# KiCad board msf-owl-clock.kicad_pcb (continued)
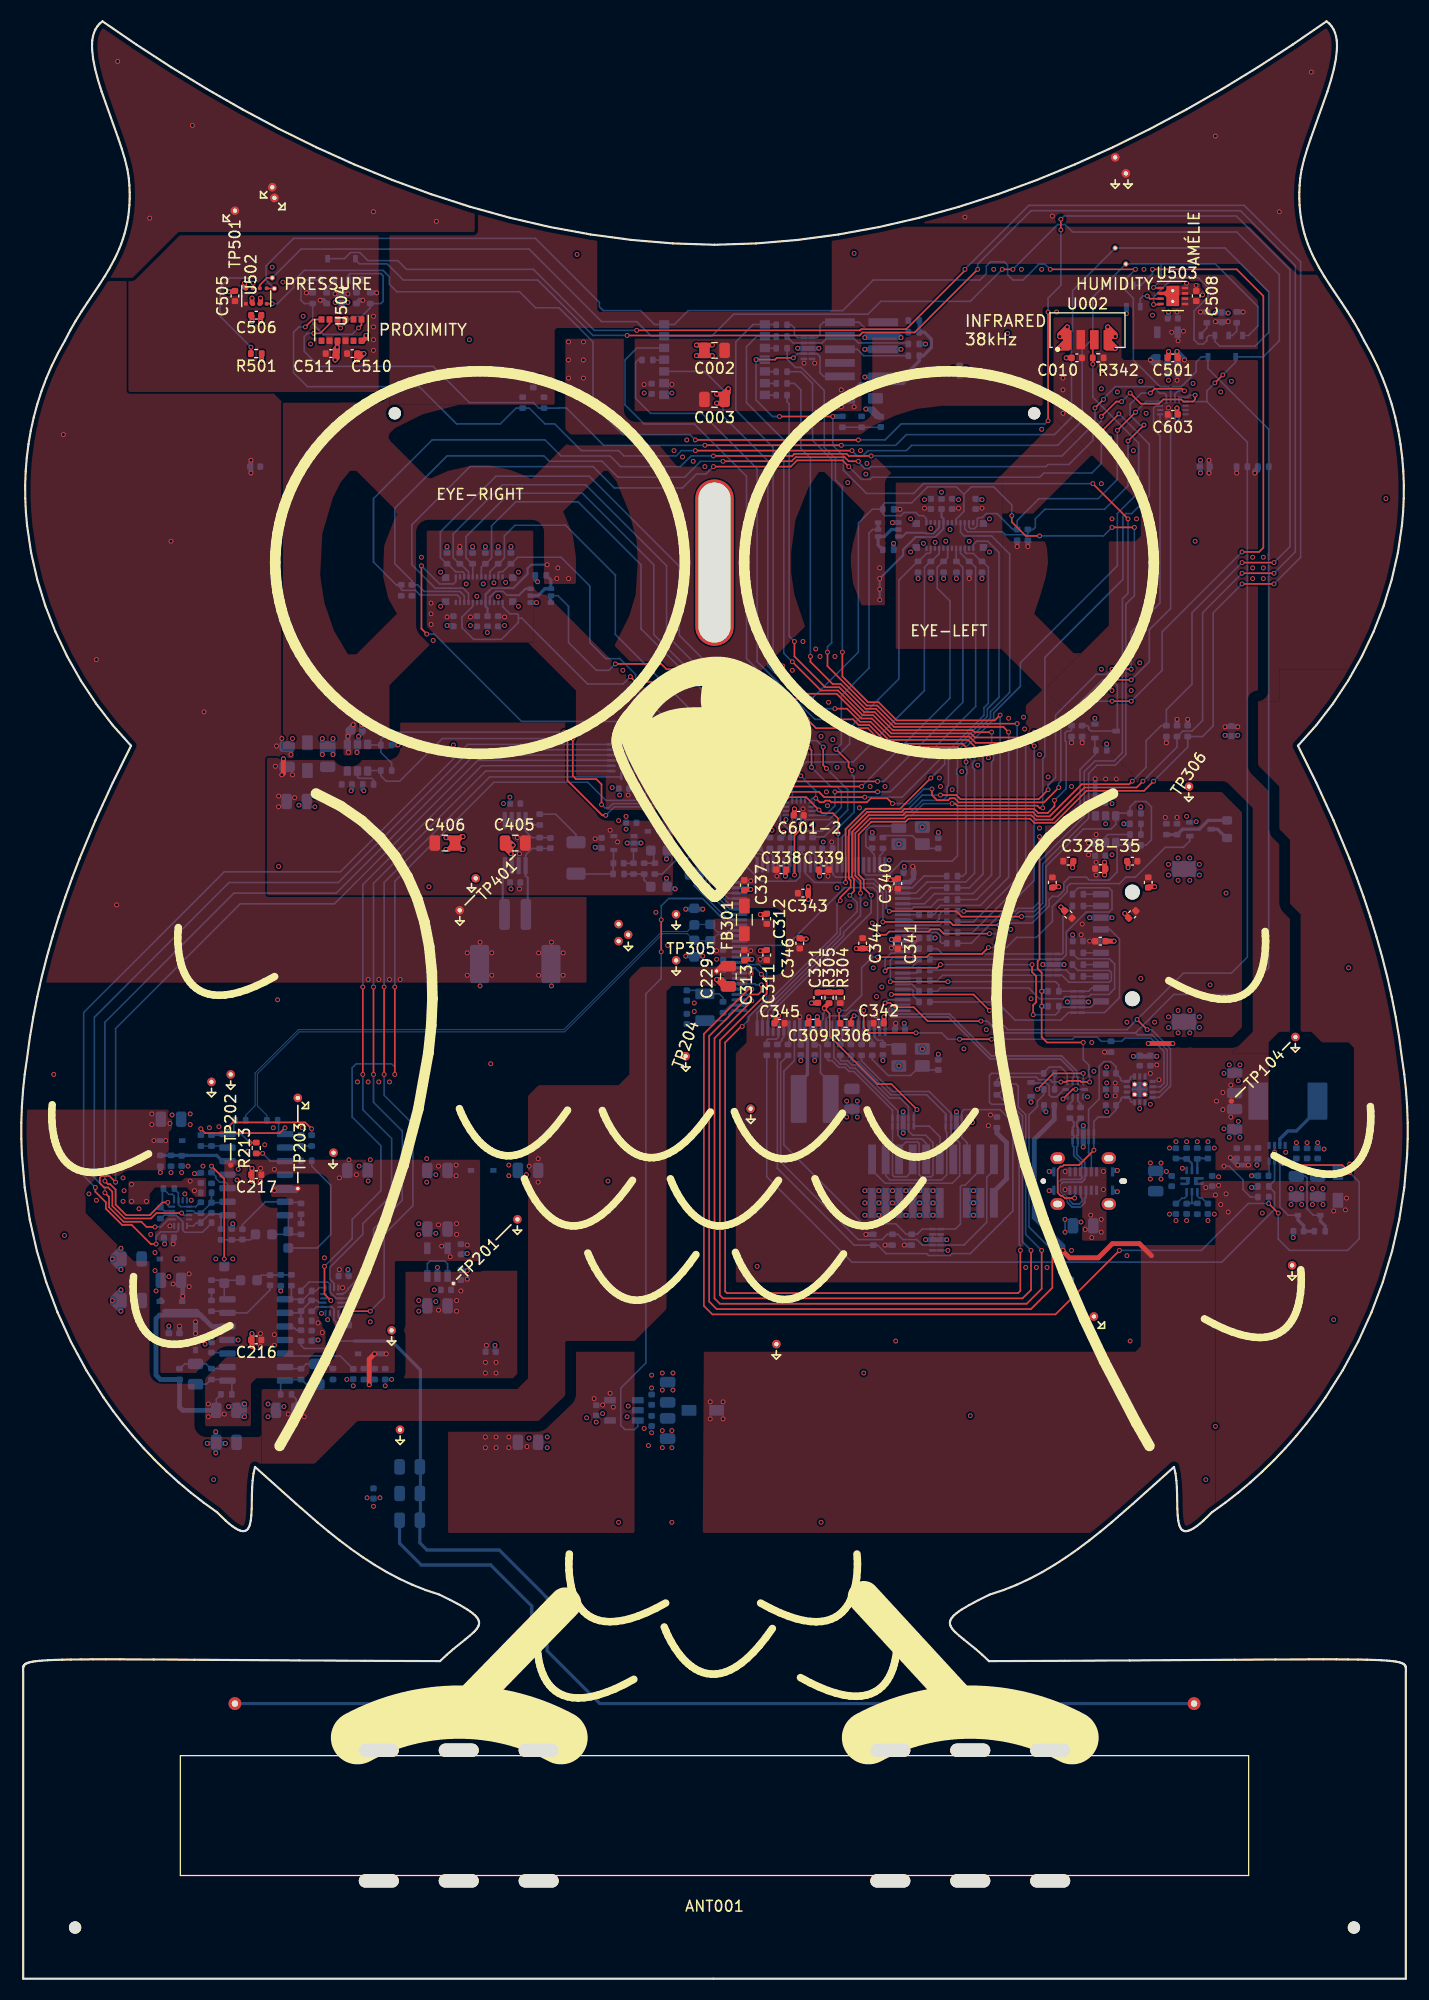
[diagram p0: board, top side]
## Routing (per net, layer and track width the routed paths; a pad name or vN(x,y) marks a point on that pad's centre or on a via; arc(x,y) is an arc through that point) (continued)
/2-msf-receiver/2-msf-receiver-trf/MSF_RCV_TRF: length 4.6
  Bottom w0.152: R243.1 25.32,69.8 C230.2 ; 24.84,71.49 U204.7 ; C230.2 25.04,71.6 ; C230.2 24.77,69.8 C241.2
/2-msf-receiver/2-msf-receiver-trf/MSF_RCV_TRF1: length 4.5
  Bottom w0.152: C238.2 19.32,65.5 C236.2 ; C238.2 18.76,65.51 R233.1 ; C238.2 19.04,63.71
/2-msf-receiver/2-msf-receiver-trf/PGA1.FB0: length 5.1
  Bottom w0.152: C235.1 26.25,62.62 R227.1 27.73,63.61 27.94,63.4 U206.10 ; C235.1 26.23,62.61 R226.1 ; C235.1 26.06,62.44 U203.2
/2-msf-receiver/2-msf-receiver-trf/PGA1.FB1: length 4
  Bottom w0.152: R227.2 27.29,62.59 27.7,63 U206.9 29.16,63 29.34,62.81 U206.6 29.34,61.75 29.73,61.36 R228.1
/2-msf-receiver/2-msf-receiver-trf/PGA1.FB2: length 4.9
  Bottom w0.152: U206.3 30.69,63.4 31,63.09 R229.1 30.84,62.89 30.84,61.39 R228.2 30.75,61.35 30.21,61.9 29.84,61.9 29.74,62 U206.5
/2-msf-receiver/2-msf-receiver-trf/PGA1.FB3: length 6.4
  Bottom w0.152: R229.2 31.02,64.11 30.71,63.8 U206.2 29.55,63.8 28.94,64.4 U206.14 28.94,65.14 28.76,65.32 27.01,65.32 26.23,64.55 R230.1
/2-msf-receiver/2-msf-receiver-trf/PGA1.FB4: length 5.5
  Bottom w0.152: C235.2 26.33,63.58 R230.2 27.64,64.5 27.94,64.8 U206.13 ; 26.11,63.71 U203.1 ; 25.34,63.71 R231.1
/2-msf-receiver/2-msf-receiver-trf/PGA1.SW_EN0: length 80.2
  Top w0.152: v1(35.04,93) v1(35.04,84.8) ; v1(29.04,63.6) 28.44,64.2 v1(28.44,66.8)
  Bottom w0.152: U205.15 57.89,113.25 57.89,112.75 58.64,112 58.64,111.25 57.89,110.5 54.84,110.5 53.14,112.2 44.34,112.2 35.04,102.9 v1(35.04,93) ; 34.73,85.8 31.43,85.8 31.04,85.42 31.04,80.8 33.74,78.1 33.74,73.9 31.04,71.2 31.04,69.4 v1(28.44,66.8) ; v1(29.04,63.6) 28.84,63.8 U206.11 ; 34.74,85.8 35.04,85.5 v1(35.04,84.8)
/2-msf-receiver/2-msf-receiver-trf/PGA1.SW_EN1: length 72.5
  Top w0.152: v1(34.04,93) v1(34.04,84.8) ; v1(32.74,62.6) v1(30.34,62.6)
  Bottom w0.152: v1(34.04,84.8) 34.04,82.85 36.74,80.15 36.74,72.5 34.04,69.8 34.04,63.9 v1(32.74,62.6) ; v1(30.34,62.6) 30.34,62.86 30.21,63 U206.4 ; U205.1 56.18,112.7 43.94,112.7 34.04,102.8 v1(34.04,93)
/2-msf-receiver/2-msf-receiver-trf/PGA1.SW_EN2: length 68.9
  Top w0.152: v1(33.04,93) v1(33.04,84.8)
  Bottom w0.152: U205.2 43.57,113.25 33.04,102.72 v1(33.04,93) ; v1(33.04,84.8) 33.04,82.2 35.74,79.5 35.74,73 33.04,70.3 33.04,67.1 30.64,64.69 30.64,64.6 30.36,64.32 30.26,64.32 30.14,64.2 U206.1
/2-msf-receiver/2-msf-receiver-trf/PGA1.SW_EN3: length 69.4
  Top w0.152: v1(32.04,93) v1(32.04,84.8)
  Bottom w0.152: v1(32.04,84.8) 32.04,81.5 34.74,78.8 34.74,73.5 32.04,70.8 32.04,69.8 28.94,66.7 28.94,65.6 29.34,65.2 U206.15 ; v1(32.04,93) 32.04,102.6 43.19,113.75 U205.3
/2-msf-receiver/2-msf-receiver-trf/PGA2.FB0: length 5.1
  Bottom w0.152: U207.10 16.13,72 16.34,71.79 R237.1 16.85,71.79 C240.1 ; C240.1 17.84,73.69 R236.1 ; C240.1 19.26,72.78 U204.9
/2-msf-receiver/2-msf-receiver-trf/PGA2.FB1: length 4
  Bottom w0.152: R238.1 14.35,74.06 14.74,73.67 U207.6 14.74,72.6 14.94,72.4 U207.9 16.38,72.4 16.79,72.81 R237.2
/2-msf-receiver/2-msf-receiver-trf/PGA2.FB2: length 4.9
  Bottom w0.152: U207.3 13.41,72 13.1,72.31 R239.1 13.24,72.51 13.24,74.01 R238.2 13.33,74.06 13.84,73.55 14.19,73.55 14.34,73.4 U207.5
/2-msf-receiver/2-msf-receiver-trf/PGA2.FB3: length 6.5
  Bottom w0.152: R240.1 17.85,70.85 17,70 15.34,70 15.14,70.2 U207.14 15.14,70.99 14.54,71.6 U207.2 13.39,71.6 13.08,71.29 R239.2
/2-msf-receiver/2-msf-receiver-trf/PGA2.FB4: length 6.2
  Bottom w0.152: R241.1 18.74,71.4 18.93,71.59 U204.8 19.23,71.7 17.96,71.7 C240.2 ; 17.85,71.81 C240.2 ; C240.2 17.76,71.82 16.84,70.9 R240.2 16.44,70.9 16.14,70.6 U207.13
/2-msf-receiver/2-msf-receiver-trf/PGA2.SW_EN0: length 84.5
  Top w0.152: v1(15.04,71.8) 12.68,71.8 12.17,71.29 9.72,71.29 8.54,72.47 8.54,73.8 8.14,74.2 7.77,74.2 7.36,74.6 7.36,75.12 7.53,75.28 8.26,75.28 v1(8.84,74.7)
  Bottom w0.152: v1(15.04,71.8) 15.24,71.6 U207.11 ; U205.4 42.84,114.25 29.39,100.8 20.54,100.8 8.84,89.1 v1(8.84,74.7)
/2-msf-receiver/2-msf-receiver-trf/PGA2.SW_EN1: length 82.1
  Top w0.152: v1(7.84,74.8) 8.14,74.5 8.34,74.5 8.84,74 8.84,72.6 9.84,71.6 12.04,71.6 13.24,72.8 v1(13.74,72.8)
  Bottom w0.152: v1(7.84,74.8) 7.84,89.7 19.94,101.8 29.54,101.8 42.49,114.75 U205.5 ; U207.4 13.87,72.4 13.74,72.52 v1(13.74,72.8)
/2-msf-receiver/2-msf-receiver-trf/PGA2.SW_EN2: length 84.3
  Top w0.152: v1(7.84,73.7) 8.24,73.31 8.24,72.34 9.59,70.99 11.25,70.99 11.74,70.5 v1(12.54,70.5)
  Bottom w0.152: U205.6 42.19,115.25 29.74,102.8 19.49,102.8 6.84,90.15 6.84,75.12 7.84,74.12 v1(7.84,73.7) ; v1(12.54,70.5) 13.09,70.5 13.79,71.2 U207.1
/2-msf-receiver/2-msf-receiver-trf/PGA2.SW_EN3: length 88.7
  Top w0.152: v1(6.94,74.2) 6.94,73.8 7.93,72.81 7.93,72.22 9.47,70.68 10.36,70.68 12.14,68.9 v1(12.64,68.9)
  Bottom w0.152: v1(6.94,74.2) 5.84,75.3 5.84,90.6 19.04,103.8 29.94,103.8 41.89,115.75 U205.7 ; v1(12.64,68.9) 12.64,69.61 13.07,70.03 14.58,70.03 14.74,70.2 U207.15
/2-msf-receiver/DS: length 18.3
  Bottom w0.152: U205.14 58.54,113.75 58.83,113.45 R224.1 58.83,112.91 59.14,112.6 59.71,112.6 64.88,107.42 64.88,105.7 65.14,105.44 65.14,102.06 66.4,100.8 U301.21
/2-msf-receiver/MSF_ANT_{+}: length 111.2
  Bottom w0.152: R225.1 26.24,59.4 26.54,59.1 28.74,59.1 29.44,59.8 31.24,59.8
  Bottom w0.305: ANT001.1 54.29,25.8 49.34,30.75 49.34,35.7 44.84,40.2 38.07,40.2 37.39,40.87 C014.1 37.44,43.05 37.44,57.1 34.74,59.8 31.24,59.8
/2-msf-receiver/MSF_OUT+: length 56
  Bottom w0.102: U301.15 66.28,97.8 66.13,97.94 65.34,97.94 64.72,97.32 C324.2 63.19,97.32 C323.2 63.12,97.37 62.5,97.99 60.19,97.99 50.99,88.79 26.09,88.79 22.15,84.85 22.15,81.86 23.03,80.98 R214.2
/2-msf-receiver/MSF_OUT-: length 56.4
  Bottom w0.102: R219.2 21.05,80.98 21.94,81.86 21.94,84.94 26,89 50.9,89 60.1,98.2 62.5,98.2 63.12,98.82 C325.2 63.19,98.87 C324.1 64.64,98.83 65.33,98.15 66.13,98.15 66.28,98.3 U301.16
/2-msf-receiver/MSF_RCV_EN: length 61.4
  Top w0.152: v1(60.04,99.3) v1(60.04,96.3)
  Bottom w0.152: v1(60.04,96.3) 60.04,93.8 58.61,92.36 58.61,57.74 56.24,55.37 56.24,51.9 56.64,51.5 57.54,51.5 57.84,51.8 U201.3 ; v1(60.04,99.3) 60.04,100.6 60.74,101.3 63.91,101.3 66.41,98.8 U301.17
/2-msf-receiver/MSF_RCV_VREF_{+1.8V}: length 83
  Bottom w0.152: 17.85,74.79 17.85,74.69 ; R205.2 18.29,54.36 C220.1
  Bottom w0.305: C014.2 35.49,40.82 37.52,38.8 44.04,38.8 47.89,34.95 47.89,30.85 ; ANT001.2 42.97,25.8 47.89,30.72
  Bottom w0.45: 13.1,63.68 12.99,63.57 D202.2 13.21,63.5 13.24,63.53 ; 17.14,61.9 17.87,61.17 U203.12 ; 17.14,61.9 16.82,62.22 12.97,62.22 12.64,61.9 12.64,56.6 13.05,56.19 R204.2 14.84,53.6 15.14,53.3 C220.1 ; 17.14,61.9 16.44,62.6 13.44,62.6 ; v1(23.74,73.9) 25.74,73.9 TP203.1 24.77,74.1 U204.5 23.97,74.13 v1(23.74,73.9)
  vias: v1(10.34,74.5) v1(10.34,72.9) v1(11.74,72.9) v1(15.84,74.8) v1(16.24,73.9) v1(17.54,53.9) v1(17.54,52.7) v1(19.04,52.95) v1(27.84,61.5) v1(28.24,60.6)
/2-msf-receiver/MSF_RCV_VREF_{+2.5V}: length 3.6
  Top w0.45: TP204.1 65.69,94.95 C229.1
  Bottom w0.152: C226.1 25.79,54.36 R211.2
  Bottom w0.45: v1(13.04,75.6) R220.1
  vias: v1(12.24,81.1) v1(12.24,80.1) v1(12.44,78.6) v1(13.54,78.6) v1(13.94,80.2) v1(25.04,52.95) v1(26.54,53.9) v1(26.54,52.7) v1(47.64,76.2) v1(48.49,76.9) v1(48.49,74.7) v1(68.44,94.3)
/2-msf-receiver/MSF_VDD_{+3.6V}: length 8.7
  Top w0.45: v1(33.14,58.6) 32.64,58.1 v1(32.64,55.7)
  Bottom w0.45: v1(14.24,68.9) 14.24,69.42 C244.1 ; C214.1 15.14,65.35 v1(15.14,64) 15.14,63.55 D202.1 ; v1(14.84,61.2) R201.1 ; v1(33.14,58.6) v1(34.24,58.6) ; v1(16.34,61.6) v1(16.34,60.5)
  vias: v1(13.94,70.6) v1(14.24,65.15) v1(15.74,66.1) v1(15.74,64.9) v1(22.44,76) v1(22.44,74.8) v1(22.44,60.5) v1(22.44,59.3) v1(23.74,75.9) v1(23.74,60.4) v1(23.74,59.4) v1(29.84,75.1) v1(29.84,66.5) v1(30.14,64.8) v1(30.74,76.8) v1(31.44,75.4) v1(39.14,76.2) v1(39.14,70.7) v1(39.44,68.7) v1(40.24,67.7) v1(40.79,76.3) v1(40.79,75.3) v1(40.84,70.8) v1(40.84,69.8) v1(41.84,68.8)
/2-msf-receiver/SHCP: length 21.8
  Bottom w0.152: U301.23 66.26,101.8 65.74,102.32 65.74,105.7 65.49,105.95 65.49,107.67 64.24,108.92 64.24,111.2 60.94,114.5 60.94,116.05 60.59,116.4 59.09,116.4 58.83,116.14 R223.1 58.85,115.58 58.85,115.56 58.53,115.25 U205.11
/2-msf-receiver/STCP: length 19.3
  Bottom w0.152: U301.22 66.33,101.3 65.44,102.19 65.44,105.57 65.19,105.82 65.19,107.55 63.44,109.29 63.44,110.4 60.93,112.92 60.93,113.59 60.58,113.94 59.34,113.94 58.83,114.45 R222.1 58.49,114.5 58.24,114.75 U205.12
/3-mcu-core/AMP_EN: length 51.7
  Top w0.152: v1(54.84,109.1) 54.51,109.1 51.24,112.36 51.24,116.6 v1(50.94,116.9)
  Bottom w0.152: v1(50.94,116.9) 34.44,116.9 33.73,116.19 R401.1 ; U301.19 66.54,99.8 64.27,102.06 64.27,107.17 63.49,107.95 62.29,107.95 60.35,109.89 55.64,109.89 v1(54.84,109.1) ; R401.1 33.73,115.01 34.75,113.99 R402.1 ; R401.1 32.54,115.7 U401.3
/3-mcu-core/AMP_IN: length 6.7
  Bottom w0.152: U301.18 66.34,99.3 63.14,102.5 C408.1
/3-mcu-core/BC805M.MISO: length 70
  Top w0.152: v1(77.04,124.4) 77.04,122.11 79.46,119.7 80.44,119.7 82.14,118 91.34,118 v1(91.84,118.5)
  Bottom w0.152: v1(77.04,124.4) 77.04,139.9 76.39,140.55 76.39,142.55 75.34,143.6 75.34,148.93 73.18,151.1 72.64,151.1 71.85,151.89 R007.1 ; R332.2 89.64,101.2 91.84,103.4 v1(91.84,118.5)
/3-mcu-core/BC805M.MOSI: length 72.1
  Top w0.152: v1(93.44,117.69) 82.02,117.69 80.32,119.39 79.34,119.39 75.64,123.08 v1(75.64,124.4)
  Bottom w0.152: v1(93.44,117.69) 93.44,103.2 89.34,99.1 R330.2 ; v1(75.64,124.4) 75.64,124.9 76.04,125.3 76.04,142.46 74.24,144.26 74.24,149.6 73.14,150.7 R008.1
/3-mcu-core/BC805M.RXD: length 79
  Top w0.152: v1(89.44,114.7) 88.34,115.8 81.32,115.8 79.56,117.56 78.58,117.56 78.04,118.1 v1(76.14,118.1)
  Bottom w0.152: U301.53 83.94,101.8 84.99,102.84 88.62,102.84 89.44,103.67 89.44,113.42 89.26,113.6 89.26,113.99 89.44,114.17 v1(89.44,114.7) ; R011.2 57.84,151.8 57.64,151.6 57.64,148.2 59.04,146.8 63.84,146.8 69.04,141.6 69.04,123.52 74.47,118.1 v1(76.14,118.1)
/3-mcu-core/BC805M.SCK: length 71.3
  Top w0.152: v1(74.04,124) 74.04,123.49 76.13,121.41 76.89,121.41 79.21,119.09 80.19,119.09 81.89,117.39 92.15,117.39 v1(92.64,116.9)
  Bottom w0.152: R009.1 72.54,149.6 73.14,149 73.14,143.5 74.04,142.6 v1(74.04,124) ; v1(92.64,116.9) 92.64,103.3 89.99,100.64 86.24,100.64 85.84,100.25 85.84,100 85.64,99.8 R331.2
/3-mcu-core/BC805M.SWDCLK: length 81.1
  Top w0.152: v1(94.24,116.4) 89.48,116.4 89.1,116.78 81.64,116.78 79.94,118.48 78.96,118.48 76.63,120.8 75.04,120.8 v1(72.34,123.5)
  Bottom w0.152: R005.2 69.8,154 U001.2 69.03,154.03 68.04,153.04 68.04,147.8 71.54,144.3 71.54,124.3 v1(72.34,123.5) ; R329.2 89.24,98.1 94.24,103.1 v1(94.24,116.4)
/3-mcu-core/BC805M.SWDIO: length 86
  Top w0.152: v1(71.44,123.1) 71.44,122.7 73.64,120.5 76.51,120.5 78.83,118.17 79.81,118.17 81.51,116.47 88.97,116.47 89.54,115.9 94.74,115.9 v1(95.04,115.6)
  Bottom w0.152: R328.2 89.14,97.1 92.16,100.12 92.16,100.29 92.45,100.58 92.63,100.58 95.04,103 v1(95.04,115.6) ; R004.2 70.8,155.13 U001.1 68.67,155.13 67.04,153.5 67.04,147.1 70.54,143.6 70.54,124 v1(71.44,123.1)
/3-mcu-core/BC805M.TXD: length 76
  Top w0.152: v1(73.74,118.1) 74.58,117.26 79.43,117.26 81.2,115.5 87.84,115.5 88.65,114.69 v1(88.65,114.1)
  Bottom w0.152: R334.2 88.34,103.4 88.65,103.7 88.65,112.92 88.73,113 88.73,113.39 88.65,113.47 v1(88.65,114.1) ; U001.12 57.77,152.93 56.64,151.8 56.64,147.6 58.44,145.8 63.14,145.8 68.04,140.9 68.04,123.8 v1(73.74,118.1)
/3-mcu-core/BC805M.~{CTS}: length 69.2
  Top w0.152: v1(91.04,116.9) 89.44,116.9 89.25,117.08 81.77,117.08 80.07,118.78 79.08,118.78 76.76,121.11 75.44,121.11 72.54,124 v1(72.54,125.4)
  Bottom w0.152: U301.55 84.74,100.8 85.69,101.74 89.29,101.74 91.04,103.5 91.04,114.12 91.23,114.3 91.23,114.69 91.04,114.87 v1(91.04,116.9) ; v1(72.54,125.4) 72.04,125.9 72.04,147.7 71.85,147.89 R010.1
/3-mcu-core/BC805M.~{RESET}: length 4.8
  Bottom w0.152: U301.58 83.54,99.3 83.74,99.1 85.83,99.1 86.14,99.41 86.14,99.8 86.44,100.1 R014.2
/3-mcu-core/BC805M.~{RTS}: length 71.9
  Top w0.152: v1(76.34,119.1) 77.48,119.1 78.7,117.87 79.69,117.87 81.39,116.17 88.84,116.17 89.71,115.3 v1(90.24,115.3)
  Bottom w0.152: U001.10 64.11,150.73 65.84,149 65.84,146.55 70.04,142.35 70.04,123.12 74.07,119.1 v1(76.34,119.1) ; R333.2 88.94,102.3 90.24,103.6 v1(90.24,115.3)
/3-mcu-core/CLK: length 27.4
  Bottom w0.152: R320.2 91.54,91.6 93.24,89.9 97.54,89.9 98.24,90.6 101.64,90.6 103.04,92 103.04,97.5 102.14,98.4 CONN002.5 100.84,98.4
/3-mcu-core/CMD: length 25
  Bottom w0.152: R321.2 85.94,92.6 86.24,92.9 94.54,92.9 95.54,91.9 97.77,91.9 97.97,92.1 100.17,92.1 100.37,92.3 102.05,92.3 102.28,92.53 102.28,92.53 102.59,92.84 102.59,95.16 102.28,95.46 102.28,95.46 102.1,95.64 99.14,95.64 98.63,96.15 R020.2
/3-mcu-core/DAT0: length 17.5
  Bottom w0.152: R019.2 98.63,100.55 97.74,99.66 97.74,96.19 97.64,96.1 D006.1 86.44,96.1 85.94,96.6 R325.2
/3-mcu-core/DAT1: length 26.1
  Bottom w0.152: R018.2 98.63,101.75 99.18,102.3 102.05,102.3 102.34,102 102.34,100.29 102.08,100.02 99.92,100.02 98.04,98.15 98.04,96 97.64,95.6 R324.2
/3-mcu-core/DAT2: length 13.6
  Bottom w0.152: R022.2 98.03,94.6 R323.2
/3-mcu-core/DAT3: length 22.3
  Bottom w0.152: R021.2 98.63,95.05 99.14,94.54 102.1,94.54 102.28,94.36 102.28,93.63 102.1,93.45 98.29,93.45 97.64,94.1 86.44,94.1 85.94,93.6 R322.2
/3-mcu-core/DATA0: length 4.7
  Bottom w0.152: R335.1 67.2,107.01 66.79,107.42 66.45,107.42 66.16,107.7 66.16,109.69 66.45,109.98 66.86,109.98 66.94,109.9 U601.7
/3-mcu-core/DATA1: length 2.7
  Bottom w0.152: R336.1 68.16,107.01 68,107.17 68,107.26 67.06,108.2 67.06,108.59 67.34,108.87 U601.5
/3-mcu-core/DATA2: length 8
  Top w0.152: v1(69.34,107.6) 69.09,107.34 67.9,107.34 67.03,108.21 67.03,109.21 67.13,109.3 67.13,110.18 v1(68.34,111.4)
  Bottom w0.152: R337.1 69.34,107.11 v1(69.34,107.6) ; U601.10 v1(68.34,111.4)
/3-mcu-core/DATA3: length 2.8
  Bottom w0.152: R338.1 70.19,107.01 69.94,107.25 69.94,107.7 69.54,108.1 69.14,108.1 68.74,108.5 U601.2
/3-mcu-core/IR_RCV_DATA: length 67.7
  Top w0.152: U002.3 100.53,153.55 R342.2 100.54,151.99 v1(100.54,151.4)
  Bottom w0.152: v1(100.54,151.4) 100.54,148.3 104.84,144 104.84,139.4 102.84,137.4 102.84,132.5 93.74,123.4 93.74,121.2 91.24,118.7 91.24,118.1 87.84,114.7 87.84,113.47 87.76,113.39 87.76,113 87.84,112.92 87.84,105.3 87.34,104.8 82.67,104.8 81.36,103.49 79.27,103.49 79.04,103.72 U301.46
/3-mcu-core/MCU.SWDCLK: length 38.8
  Bottom w0.152: CONN004.4 89.99,75.84 88.54,74.4 88.24,74.4 88.12,74.27 88.12,70.77 87.64,70.3 D004.6 D004.5 84.54,70.3 84.05,69.81 R303.1 83.03,69.81 82.04,70.8 78.94,70.8 71.55,78.19 71.55,85.11 72.54,86.1 U301.93
/3-mcu-core/MCU.SWDIO: length 40.3
  Bottom w0.152: CONN004.2 91.26,75.81 90.59,75.14 90.59,70.94 88.44,68.8 D004.9 D004.2 84.54,68.8 84.03,69.31 82.73,69.31 82.23,69.81 R302.1 81.25,69.81 80.76,69.31 78.53,69.31 71.25,76.59 71.25,85.89 R313.2
/3-mcu-core/MCU.SWO: length 56.2
  Bottom w0.152: R312.2 70.94,76 78.15,68.79 R301.1 80.35,68.79 81.14,68 84.95,68 85.13,67.82 87.14,67.82 87.32,68 89.04,68 93.04,72 93.04,80.3 91.84,81.5 88.44,81.5 88.24,81.3 D005.9 88.24,78.9 88.75,78.39 88.75,76.83
/3-mcu-core/MCU.TRACECLK: length 17.7
  Bottom w0.152: U301.85 76.54,88.3 76.24,88 76.24,86.35 76.83,85.76 77.41,85.76 77.79,85.39 78.23,85.39 82.24,81.38 82.24,79.12 82.6,78.76 84.48,78.76 84.94,78.3 84.94,76.83
/3-mcu-core/MCU.TRACEDATA0: length 17.8
  Bottom w0.152: 83.67,76.83 83.67,75.81 83.07,75.21 81.9,75.21 81.74,75.37 81.74,81.44 78.11,85.08 77.67,85.08 77.29,85.46 76.7,85.46 76.07,86.1 75.74,86.1 75.64,86.2 R314.2
/3-mcu-core/MCU.TRACEDATA1: length 24.3
  Bottom w0.152: R315.2 76.84,86.18 76.95,86.07 77.54,86.07 77.92,85.69 78.36,85.69 81.47,82.59 82.45,82.59 83.24,81.8 83.24,79.5 83.64,79.1 84.86,79.1 85.54,78.41 85.54,75.36 85.39,75.2 84.44,75.2 84.24,75.4 84.24,78.33 84.12,78.45 83,78.45 82.4,77.85 82.4,76.83
/3-mcu-core/MCU.TRACEDATA2: length 24.8
  Bottom w0.152: R316.2 77.84,86.2 78.04,86 78.49,86 81.59,82.89 84.95,82.89 86.74,81.1 86.74,79.43 86.84,79.33 86.84,75.4 86.34,74.9 81.52,74.9 81.13,75.28 81.13,76.83
/3-mcu-core/MCU.TRACEDATA3: length 27.3
  Bottom w0.152: 79.86,76.83 79.86,75.78 81.05,74.59 87.35,74.59 88.05,75.29 88.05,78.39 87.84,78.6 87.64,78.6 87.24,79 87.24,81.15 85.19,83.2 81.72,83.2 78.84,86.07 R317.2
/3-mcu-core/MCU.~{RESET}: length 23.2
  Top w0.152: v1(84.04,81.5) 81.64,83.9 80.34,83.9 75.84,88.4 75.84,90.5 v1(75.34,91)
  Top w0.45: v1(75.34,91) 75.34,91.04 R305.2
  Bottom w0.152: U301.88 75.04,89.8 75.24,90 75.24,90.49 75.34,90.6 v1(75.34,91) ; 86.21,76.83 86.21,78.93 85.19,79.95 D003.1 D003.10 83.74,81.2 v1(84.04,81.5)
/3-mcu-core/MCU_AV_{DD}:
  vias: v1(65.24,96.4) v1(68.44,96.4) v1(69.34,95.6)
/3-mcu-core/MCU_V_{DDCORE}: length 6.6
  Top w0.45: C309.1 74.69,89.68 v1(74.69,90.2)
  Bottom w0.152: C310.1 74.86,87.58 74.98,87.46 74.98,84.96 75.94,84 L301.2
/3-mcu-core/MCU_V_{SW}: length 7.1
  Bottom w0.305: L301.1 72.94,84 73.76,84.81 73.76,88.08 73.54,88.3 U301.91
/3-mcu-core/MCU_XOSC0_IN: length 7.1
  Bottom w0.152: 79.82,106.02 79.82,105.62 80.04,105.4 U301.48 ; XTAL301.1 82.26,108.08 79.65,108.08 79.24,107.67 79.24,106.2 79.42,106.02 C315.1
/3-mcu-core/MCU_XOSC0_OUT: length 1.7
  Bottom w0.152: R307.1 80.84,105.6 80.54,105.3 U301.49
/3-mcu-core/MCU_XOSC1_IN: length 3.8
  Bottom w0.152: U301.78 80.04,88.32 80.37,88 80.78,88 80.84,87.94 C317.1 81.96,87.58 XTAL302.1
/3-mcu-core/MCU_XOSC1_OUT: length 1.7
  Bottom w0.152: R308.1 79.84,87.99 79.54,88.29 U301.79
/3-mcu-core/MCU_XOSC32K_IN: length 5.6
  Bottom w0.152: U301.1 66.74,90.8 66.39,90.44 66.39,90.17 66.07,89.85 XTAL303.1 63.81,89.52 C319.1
/3-mcu-core/MCU_XOSC32K_OUT: length 1.8
  Bottom w0.152: R309.1 66.55,91.3 U301.2
/3-mcu-core/PRX_GPIO0: length 206.5
  Top w0.152: v1(114.54,131.8) v1(117.54,131.8) ; v1(105.24,112.3) 104.65,111.7 99.75,111.7 96.74,108.69 95.19,108.69 94.79,109.09 83.13,109.09 82.84,108.8 79.64,108.8 78.26,107.42 78.26,103.42 78.74,102.94 v1(78.74,101.8) ; v1(89.74,160.3) 83.83,154.38 78.95,154.38 78.67,154.1 v1(56.84,154.1)
  Bottom w0.152: v1(78.74,101.8) 78.74,99.7 77.15,98.11 77.15,97.81 70.04,90.7 U301.98 ; v1(114.54,131.8) 110.84,128.1 110.84,118 109.84,117 109,117 108.49,116.49 R508.2 108.44,115.5 v1(105.24,112.3) ; v1(56.84,154.1) 53.64,154.1 48.44,159.3 35.84,159.3 34.33,160.81 31.73,160.81 31.34,161.2 Q504.3 ; v1(89.74,160.3) 89.74,160.8 94.74,165.8 114.39,165.8 119.54,160.65 119.54,133.8 v1(117.54,131.8)
/3-mcu-core/PRX_GPIO1: length 211.2
  Top w0.152: v1(88.54,160.3) 88.54,160.2 83.03,154.68 78.82,154.68 78.71,154.58 v1(57.74,154.58) ; v1(106.24,112.3) 105.34,111.4 99.96,111.4 96.95,108.39 95.06,108.39 94.67,108.78 83.25,108.78 82.97,108.5 79.77,108.5 78.56,107.29 78.56,103.55 79.05,103.06 79.05,102.29 v1(79.74,101.6) ; v1(114.54,130.8) v1(117.54,130.8)
  Bottom w0.152: v1(106.24,112.3) 109.44,115.5 R509.2 110.83,116.49 111.84,117.5 111.84,128.1 v1(114.54,130.8) ; v1(88.54,160.3) 94.54,166.3 114.74,166.3 120.04,161 120.04,133.3 v1(117.54,130.8) ; v1(57.74,154.58) 53.76,154.58 48.04,160.3 36.14,160.3 35.33,161.11 32.53,161.11 31.77,161.87 30.89,161.87 30.31,161.3 Q505.3 ; v1(79.74,101.6) 79.74,99.96 70.54,90.76 U301.97
/3-mcu-core/SCK: length 3.8
  Bottom w0.152: U602.7 71.34,109.9 71.22,109.77 71.22,108.55 72.24,107.52 R339.1
/3-mcu-core/SDCARD_EN: length 42.9
  Top w0.152: v1(93.84,99.6) 88.24,99.6 87.74,100.1 v1(81.44,100.1)
  Bottom w0.152: v1(81.44,100.1) 81.16,100.38 81.16,101.94 80.01,103.1 78.94,103.1 78.54,103.5 U301.45 ; R344.1 105.54,106.3 106.04,106.8 106.04,109.9 105.54,110.4 104.54,110.4 104.03,109.89 R343.1 102.94,109.3 U302.3 102.69,108.25 102.26,107.82 99.66,107.82 96.14,104.3 96.14,100.73 95.01,99.6 v1(93.84,99.6)
/3-mcu-core/SDCARD_V_{DD}:
  vias: v1(99.44,97.9) v1(99.54,98.9) v1(100.14,106.5) v1(100.14,105.4) v1(100.24,97.3) v1(100.84,107.3) v1(100.84,104.7) v1(100.84,103.5) v1(107.34,108.9) v1(108.44,108.9)
/3-mcu-core/TFT_BACKLED0: length 34.7
  Top w0.152: v1(76.44,115.3) 77.63,114.12 77.63,113.62 v1(77.94,113.3)
  Bottom w0.152: v1(77.94,113.3) 77.94,112.9 78.14,112.7 78.14,109.4 76.84,108.1 76.34,108.1 75.33,107.08 74.32,107.08 R341.1 ; v1(76.44,115.3) 76.94,115.8 76.94,120.3 79.54,122.9 79.54,135.57 79.87,135.9 Q602.5
  Bottom w0.305: Q602.5 Q602.6
/3-mcu-core/TFT_BACKLED1: length 47.1
  Top w0.152: v1(75.24,115.5) 75.24,113.8 v1(75.54,113.5) ; v1(55.74,123.3) 60.04,123.3 60.54,122.8 v1(66.04,122.8)
  Bottom w0.152: Q603.5 50.34,129.7 51.34,128.7 51.34,125.3 53.94,122.7 55.14,122.7 v1(55.74,123.3) ; v1(75.54,113.5) 77.54,111.5 77.54,109.6 76.45,108.5 76.04,108.5 75.13,107.6 73.44,107.6 73.24,107.4 R340.1 ; v1(75.24,115.5) 74.64,116.1 73.89,116.1 67.19,122.8 v1(66.04,122.8)
  Bottom w0.305: Q603.5 49.67,129.68 49.67,128.99
/3-mcu-core/TFT_I^{2}C_SEL: length 67
  Top w0.152: v1(86.24,111) 87.74,111 88.13,110.61 95.46,110.61 v1(96.34,111.5) ; v1(102.34,122.8) v1(104.14,122.8)
  Bottom w0.152: U603.15 106.44,147.5 106.24,147.3 106.24,145.28 106.84,144.68 106.84,129 104.14,126.3 v1(104.14,122.8) ; v1(96.34,111.5) 96.34,111.93 97.04,112.63 97.04,118.5 100.86,122.32 101.86,122.32 v1(102.34,122.8) ; U301.42 77.04,107.1 77.34,107.4 77.34,107.82 79.22,109.7 83.24,109.7 84.54,111 v1(86.24,111)
/3-mcu-core/TFT_QSPI_SEL: length 13.4
  Top w0.152: v1(76.64,107.4) 76.64,108.8 76.14,109.3 75.14,109.3 v1(74.84,109.6) 73.64,110.8 72.04,110.8 70.74,109.5 v1(70.34,109.5)
  Bottom w0.152: U601.15 v1(70.34,109.5) ; U301.41 76.54,105.4 76.64,105.5 v1(76.64,107.4) ; U602.15 74.49,109.5 74.59,109.6 v1(74.84,109.6)
/3-mcu-core/TFT_TEAR0: length 45.5
  Top w0.152: v1(77.34,102.8) 77.34,107.8 79.26,109.72 82.46,109.72 v1(85.34,112.6)
  Bottom w0.152: U301.35 73.54,103.68 74.43,102.8 v1(77.34,102.8) ; v1(85.34,112.6) 86.64,113.9 86.64,114.36 90.64,118.36 90.64,119.06 91.74,120.16 91.74,133.74 90.69,134.8 NT603.2
/3-mcu-core/TFT_TEAR1: length 58.5
  Top w0.152: v1(38.04,126.1) 37.54,126.6 v1(37.54,132.5)
  Bottom w0.152: NT604.2 39.24,130.8 v1(37.54,132.5) ; v1(38.04,126.1) 38.74,126.1 46.94,117.9 59.84,117.9 62.04,115.7 62.04,115 65.24,111.8 65.24,108.9 65.8,108.34 65.8,106.54 69.42,102.92 72.64,102.92 73.04,103.32 U301.34
/3-mcu-core/TFT_TP_INT0: length 41.9
  Bottom w0.152: NT601.2 91.04,135.3 92.74,133.6 92.74,120.63 90.94,118.82 90.94,118.23 86.99,114.28 86.99,111.9 86.86,111.77 86.86,110.91 86.46,110.5 84.55,110.5 83.44,109.39 79.35,109.39 77.74,107.79 77.74,107.3 77.54,107.1 U301.43
/3-mcu-core/TFT_TP_INT1: length 148
  Top w0.152: v1(102.99,146.75) v1(101.34,145.1) ; v1(77.64,141.8) 77.06,142.38 72.79,142.38 72.21,141.8 v1(64.94,141.8) ; v1(95.84,109.8) 95.54,109.8 95.34,110 87.84,110 87.64,110.2 v1(87.34,110.2)
  Bottom w0.152: v1(87.34,110.2) 84.68,110.2 83.57,109.09 79.48,109.09 78.05,107.66 78.05,104.46 U301.44 ; v1(64.94,141.8) 64.24,141.1 63.34,141.1 62.04,139.8 55.64,139.8 53.64,141.8 42.09,141.8 36.64,136.35 36.64,132.6 38.84,130.4 NT602.2 ; v1(77.64,141.8) 78.84,140.6 79.64,140.6 79.84,140.8 95.54,140.8 95.94,141.2 100.44,141.2 101.34,142.1 v1(101.34,145.1) ; v1(102.99,146.75) 105.84,143.9 105.84,139.05 104.19,137.4 103.64,137.4 103.36,137.12 103.36,131.22 96.04,123.9 96.04,114.62 95.84,114.42 v1(95.84,109.8)
/3-mcu-core/~{AMP_FAULT}: length 50.4
  Top w0.152: v1(54.44,110.1) 54.44,112 53.94,112.5 52.04,112.5 51.74,112.8 v1(51.74,116.3)
  Bottom w0.152: U401.4 32.54,113.3 R402.2 33.73,112.81 34.24,112.3 35.49,112.3 39.49,116.3 v1(51.74,116.3) ; U301.20 66.47,100.3 64.58,102.19 64.58,107.29 63.62,108.25 62.42,108.25 60.48,110.19 55.51,110.19 55.11,109.8 54.75,109.8 v1(54.44,110.1)
/3-mcu-core/~{BAR_INT}: length 236.6
  Top w0.152: v1(96.34,156.3) v1(96.34,146.1) ; v1(77.74,101.6) 78.13,101.98 78.13,103.12 77.95,103.3 77.95,107.54 79.52,109.11 82.72,109.11 83,109.39 94.92,109.39 95.31,109 96.48,109 99.49,112.01 103.95,112.01 v1(104.24,112.3) ; v1(97.54,164) v1(97.54,165) ; v1(114.54,132.8) v1(117.54,132.8) ; v1(23.54,157.07) U502.5 ; v1(63.24,144.3) v1(78.54,144.3)
  Bottom w0.152: v1(77.74,101.6) 78.44,100.9 78.44,100.08 76.85,98.49 76.85,97.93 69.54,90.63 U301.99 ; v1(104.24,112.3) 105.54,113.6 105.54,116.1 106.95,117.51 R502.2 107.44,119 109.84,121.4 109.84,128.1 v1(114.54,132.8) ; v1(96.34,146.1) 96.04,145.8 82.54,145.8 81.04,144.3 v1(78.54,144.3) ; v1(63.24,144.3) 62.74,144.8 56.44,144.8 53.64,147.6 53.64,153.5 50.44,156.7 48.24,156.7 46.74,158.2 35.24,158.2 34.54,158.9 34.54,159.6 33.94,160.2 26.55,160.2 25.54,159.2 25.54,158.6 24.02,157.07 v1(23.54,157.07) ; v1(117.54,132.8) 119.04,134.3 119.04,160.26 114.01,165.3 97.84,165.3 v1(97.54,165) ; v1(97.54,164) 97.54,158.8 96.34,157.6 v1(96.34,156.3)
/3-mcu-core/~{CD}: length 29.3
  Top w0.152: v1(94.84,95.1) 94.84,94.4 95.23,94.02 95.23,91.58 94.94,91.3 v1(94.94,90.4) ; v1(86.24,95.1) 85.94,94.8 81.34,94.8 v1(81.04,94.5)
  Bottom w0.152: U301.64 82.09,96.3 81.97,96.17 81.92,96.17 81.91,96.17 81.61,96.17 81.04,95.6 v1(81.04,94.5) ; CONN002.10 100.89,91.65 100.34,91.1 97.45,91.1 R327.2 97.35,90.71 97.04,90.4 v1(94.94,90.4) ; v1(86.24,95.1) v1(94.84,95.1)
/3-mcu-core/~{HMD_ALERT}: length 116.2